# Altium PCB node24.PcbDoc (part 3 of 10)
Units mm, origin at the board's own origin, x right, y up, seen from the top; angles counter-clockwise.
Board outline 177.92 x 177.92 mm, 6 copper layers (L1 - Signal 1 (Top), L2 - Signal 2, L3 - Ground, L4 - Power, L5 - Signal 3, L6 - Signal 4 (Bot)), stack 1.511 mm thick; 721 components, 595 nets, 2782 pads, 2075 vias.
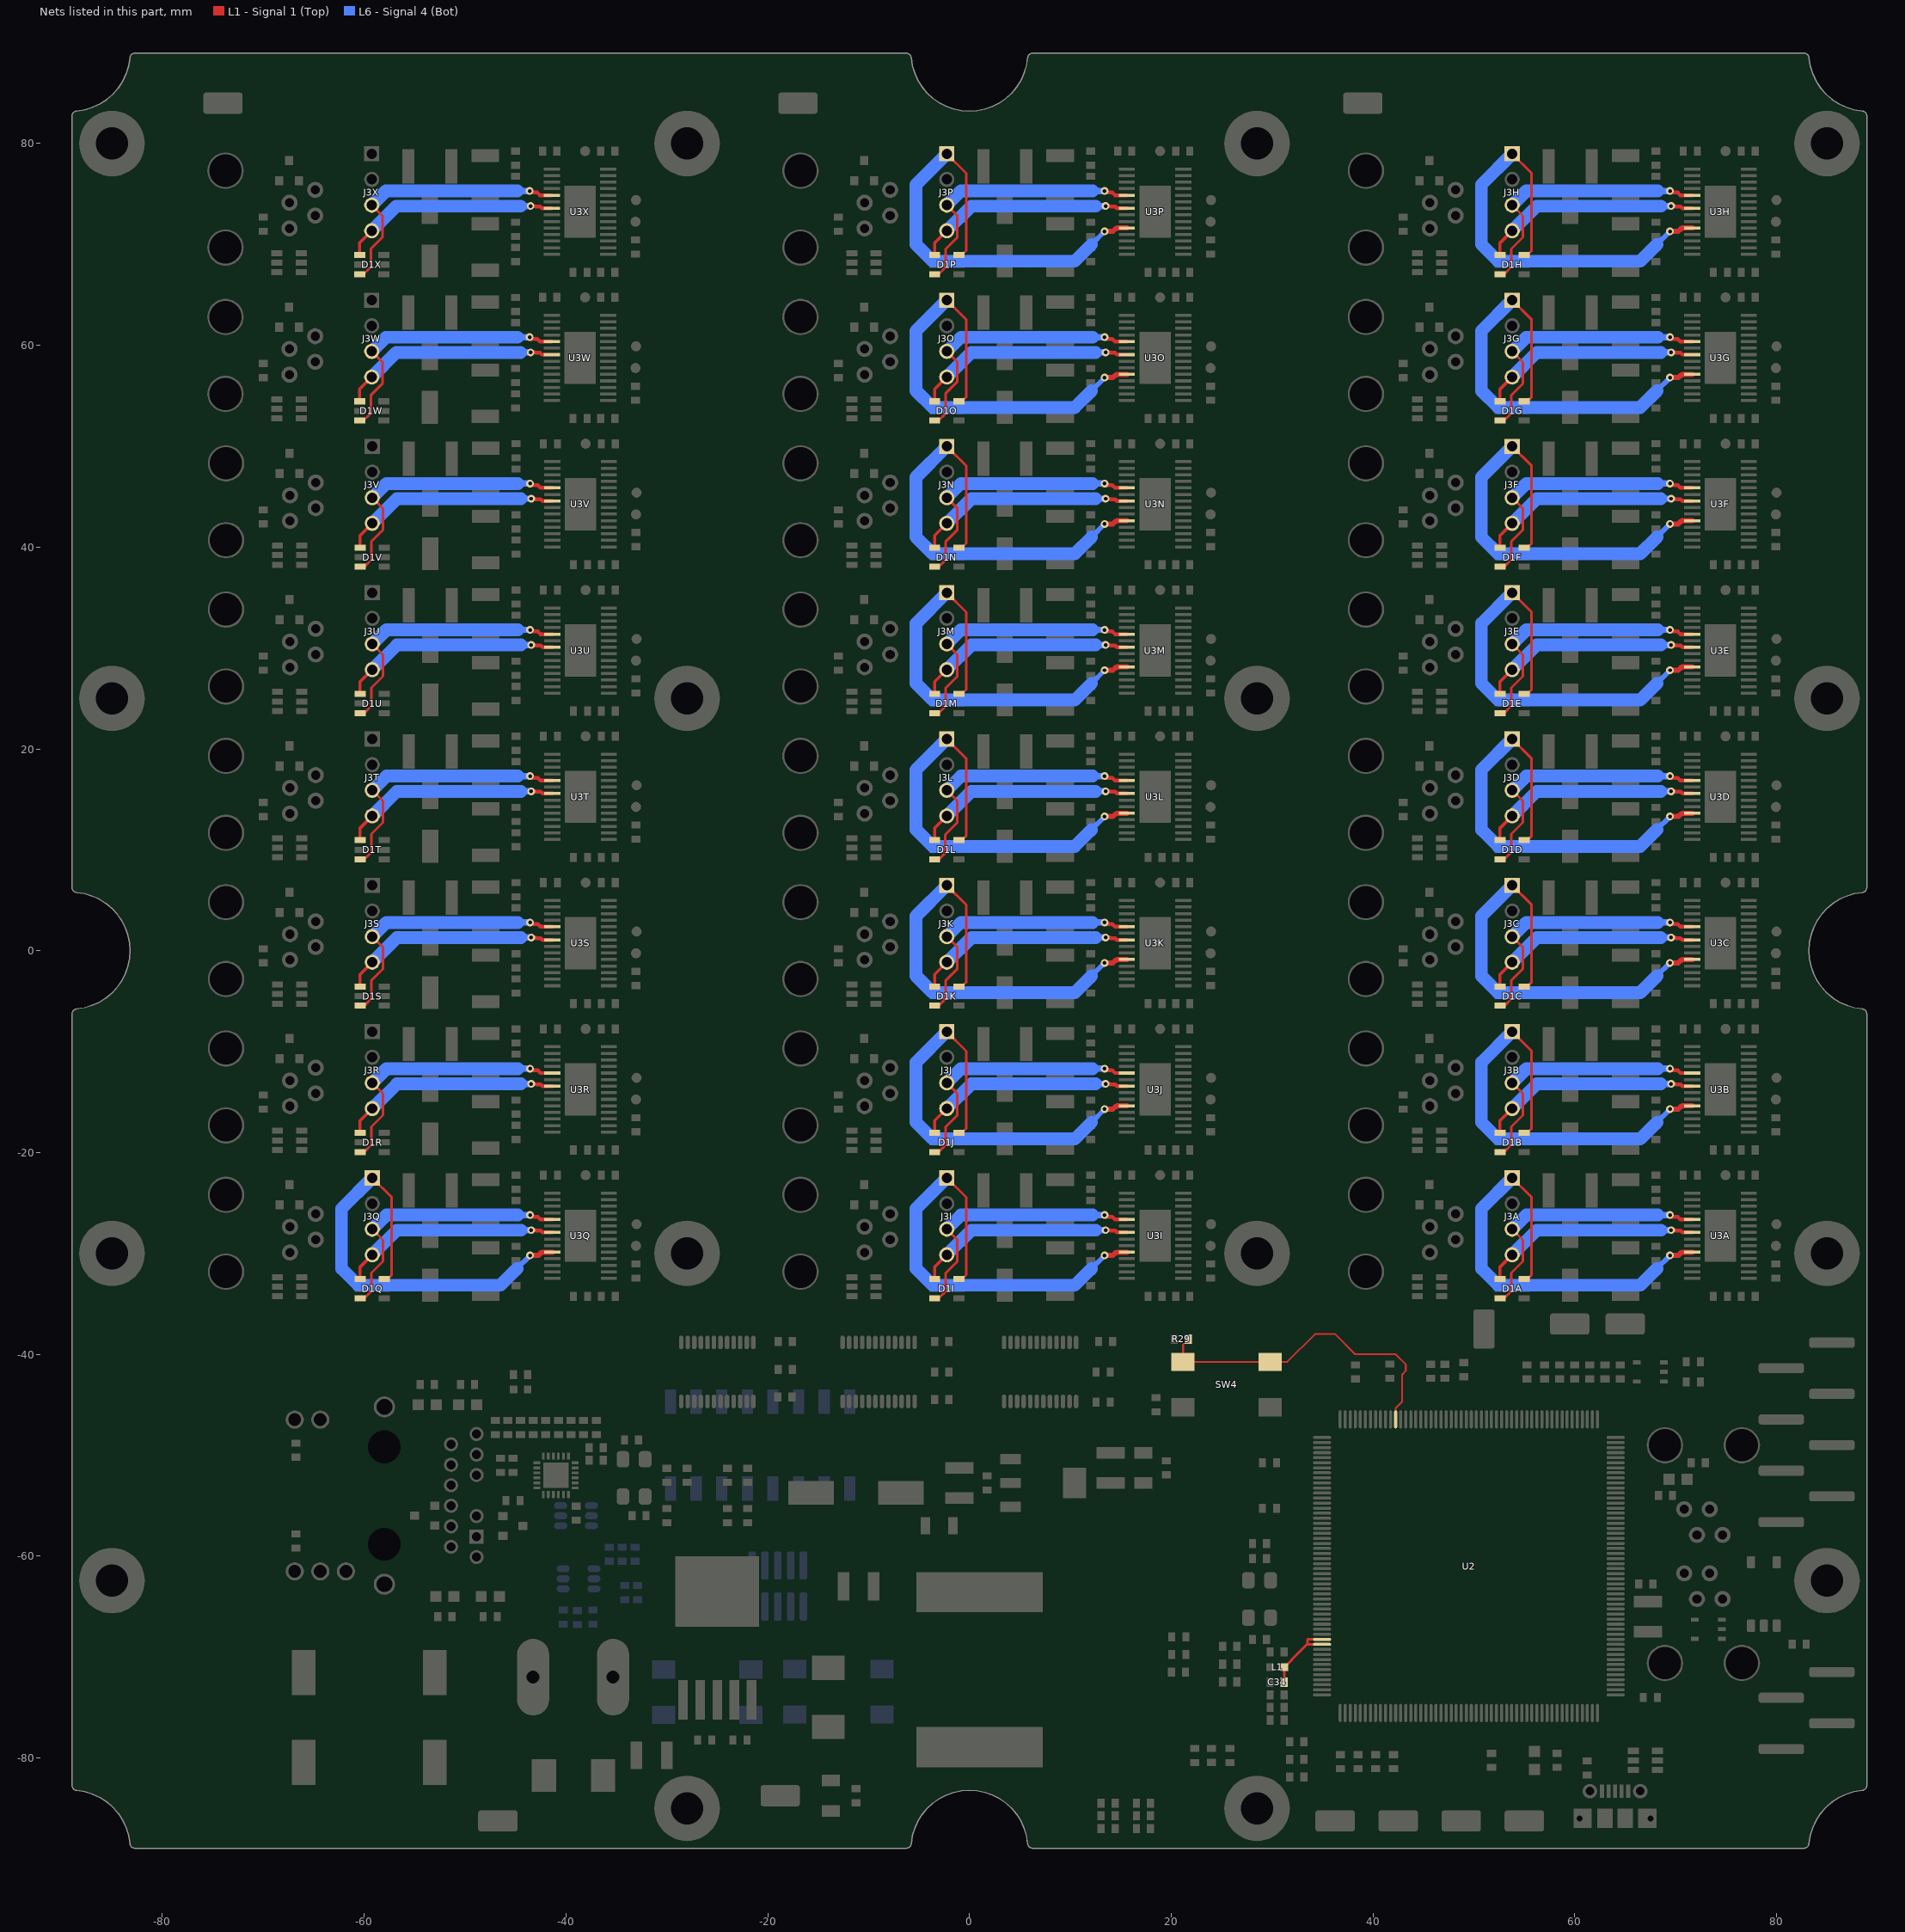
[diagram p7: the nets of this part, all layers, seen from the top]

## Part data (continued)
C38A C38B C38C C38D C38E C38F C38G C38H C38I C38J C38K C38L C38M C38N C38O C38P C38Q C38R C38S C38T C38U C38V C38W C38X C64: library part CMP-1035-02734-1, "CAP 1uF 10V ±20% 0603 (1608 Metric) Thickness 1mm SMD", Case-EIA=0603, Case-Metric=1608, Rated Voltage="10 V", Tolerance=±20%, Max Thickness="1 mm", Technology=SMT
C39A C39B C39C C39D C39E C39F C39G C39H C39I C39J C39K C39L C39M C39N C39O C39P C39Q C39R C39S C39T C39U C39V C39W C39X: library part CMP-1035-02322-1, "CAP 10nF 50V ±20% 0603 (1608 Metric) Thickness 1mm SMD", Case-EIA=0603, Case-Metric=1608, Rated Voltage="50 V", Tolerance=±20%, Max Thickness="1 mm", Technology=SMT
C47 C55 C56 C81: "Cap Ceramic 10uF 10V X7R 10% SMD 1210 125C Embossed T/R", Capacitance=10uF, Case/Package=1210, Case Code (Metric)=3225, Dielectric=X7R, Manufacturer=Samsung, Manufacturer Part Number=CL32B106KPINNNE, Max Operating Temperature=125°C, Min Operating Temperature=-55°C, Package Quantity=2000, Supplier Part Number 1=1276-3326-6-ND, Tolerance=10%, Voltage Rating=10V, Case Code (Imperial)=1210, Componentlink1description=https://datasheet.ciiva.com/25792/cl32b106kpinnne-25792065.pdf, Componentlink1url=https://datasheet.ciiva.com/25792/cl32b106kpinnne-25792065.pdf, Componentlink2description=https://datasheet.ciiva.com/16437/cl05b104kq5nnnc-16437173.pdf, Componentlink2url=https://datasheet.ciiva.com/16437/cl05b104kq5nnnc-16437173.pdf, Depth=2.5mm, Height=2mm, Lead Free="Lead Free", Length=3.2mm, Mount="Surface Mount", Packaging="Tape and Reel", Pricing 1="1=0.36, 10=0.252, 100=0.1509, 500=0.1132, 1000=0.09559 (USD)", Radiation Hardening=No, Stock 1=13080, Supplier 1=Digi-Key, Thickness=0.087inch, Voltage Rating (DC)=10V, Width=0.098inch
C61: library part CMP-1035-02787-1, "CAP 4.7uF 10V ±20% 0603 (1608 Metric) Thickness 1mm SMD", Case-EIA=0603, Case-Metric=1608, Rated Voltage="10 V", Tolerance=±20%, Max Thickness="1 mm", Technology=SMT
C63: library part CMP-1035-01677-1, "CAP 470pF 50V ±20% 0603 (1608 Metric) Thickness 1mm SMD", Case-EIA=0603, Case-Metric=1608, Rated Voltage="50 V", Tolerance=±20%, Max Thickness="1 mm", Technology=SMT
C82: "CAP ALUM 1000UF 20% 10V SMD", Capacitance=1000uF, Case/Package=Radial, Dielectric Material=Aluminium, Leakage Current=100uA, Manufacturer=Nichicon, Manufacturer Part Number=UWT1A102MNL1GS, Max Operating Temperature=105°C, Min Operating Temperature=-55°C, Package Quantity=500, Ripple Current=310mA, Supplier Part Number 1=493-2171-6-ND, Tolerance=20%, Voltage=10V, Componentlink1description=https://datasheet.ciiva.com/97/e-wt-97505.pdf, Componentlink1url=https://datasheet.ciiva.com/97/e-wt-97505.pdf, Componentlink2description=https://datasheet.ciiva.com/30522/getdatasheetpartid-388152-30522193.pdf, Componentlink2url=https://datasheet.ciiva.com/30522/getdatasheetpartid-388152-30522193.pdf, ComponentLink3Description=https://datasheet.ciiva.com/97/e-wt-97506.pdf, ComponentLink3URL=https://datasheet.ciiva.com/97/e-wt-97506.pdf, ComponentLink4Description=https://datasheet.ciiva.com/97/e-wt-97507.pdf, ComponentLink4URL=https://datasheet.ciiva.com/97/e-wt-97507.pdf, ComponentLink5Description=https://datasheet.ciiva.com/11776/0900766b80fa3a91-11776933.pdf, ComponentLink5URL=https://datasheet.ciiva.com/11776/0900766b80fa3a91-11776933.pdf, ComponentLink6Description=https://datasheet.ciiva.com/7793/e-wt-7793502.pdf, ComponentLink6URL=https://datasheet.ciiva.com/7793/e-wt-7793502.pdf, ComponentLink7Description=https://datasheet.ciiva.com/46384/1910938-46384607.pdf, ComponentLink7URL=https://datasheet.ciiva.com/46384/1910938-46384607.pdf, Contact Plating=Tin, Diameter=10mm, Height=10mm, Height - Seated (Max)=0.394inch, Lead Diameter=1.1mm, Lead Free="Lead Free", Lead Pitch=4.5mm, Length=10mm, Life (Hours)=1000Hour, Mount="Surface Mount,PCB", Number of Pins=2, Packaging="Tape and Reel", Pricing 1="1=0.66, 10=0.469, 100=0.3091 (USD)", Radiation Hardening=No, REACH SVHC="No SVHC", Ripple Current (AC)=310mA, Stock 1=21953, Supplier 1=Digi-Key, Termination=SMD/SMT, Voltage Rating=10V, Voltage Rating (DC)=10V
D1A D1B D1C D1D D1E D1F D1G D1H D1I D1J D1K D1L D1M D1N D1O D1P D1Q D1R D1S D1T D1U D1V D1W D1X D2A D2B D2C D2D D2E D2F D2G D2H D2I D2J D2K D2L D2M D2N D2O D2P D2Q D2R D2S D2T D2U D2V D2W D2X: "TVS DIODE 24VWM 30VC SOT23", Breakdown Voltage=25V, Capacitance=60pF, Case/Package=SOT-23-6, Clamping Voltage=30V, Leakage Current=1uA, Manufacturer=STMicroelectronics, Manufacturer Part Number=ESDA25SC6Y, Max Operating Temperature=150°C, Max Surge Current=7A, Min Operating Temperature=-40°C, Operating Supply Voltage=24V, Package Quantity=1, Peak Pulse Current=10A, Peak Pulse Power=300W, Power Line Protection=No, Supplier Part Number 1=497-13421-6-ND, Componentlink1description=https://datasheet.ciiva.com/12326/dm00035423-211710-12326640.pdf, Componentlink1url=https://datasheet.ciiva.com/12326/dm00035423-211710-12326640.pdf, Componentlink2description=https://datasheet.ciiva.com/6577/dm00035423-6577883.pdf, Componentlink2url=https://datasheet.ciiva.com/6577/dm00035423-6577883.pdf, ComponentLink3Description=https://datasheet.ciiva.com/6577/dm00035423-6577884.pdf, ComponentLink3URL=https://datasheet.ciiva.com/6577/dm00035423-6577884.pdf, ComponentLink4Description=https://datasheet.ciiva.com/6577/dm00035423-6577885.pdf, ComponentLink4URL=https://datasheet.ciiva.com/6577/dm00035423-6577885.pdf, ComponentLink5Description=https://datasheet.ciiva.com/25958/dm00035423-25958158.pdf, ComponentLink5URL=https://datasheet.ciiva.com/25958/dm00035423-25958158.pdf, ComponentLink6Description=https://datasheet.ciiva.com/41443/001184002-da-01-en-tvs-diode-24v-300w-esda25sc6y-sot-23-stm-41443447.pdf, ComponentLink6URL=https://datasheet.ciiva.com/41443/001184002-da-01-en-tvs-diode-24v-300w-esda25sc6y-sot-23-stm-41443447.pdf, Depth=1.75mm, Direction=Unidirectional, Height=3mm, Lead Free="Lead Free", Length=3mm, Min Breakdown Voltage=25V, Mount="Surface Mount", Number of Pins=6, Number of Unidirectional Channels=4, Packaging="Tape and Reel", Polarity=Unidirectional, Pricing 1="1=0.52, 10=0.419, 100=0.2855, 500=0.21414, 1000=0.16061 (USD)", Radiation Hardening=No, Reverse Standoff Voltage=24V, Stock 1=18642, Supplier 1=Digi-Key, Termination=SMD/SMT, Working Voltage=24V
D3 D4 D6A D6B D6C D6D D6E D6F D6G D6H D6I D6J D6K D6L D6M D6N D6O D6P D6Q D6R D6S D6T D6U D6V D6W D6X: "TVS DIODE 5VWM 20.6VC SOT23", Breakdown Voltage=7.3V, Capacitance=230pF, Case/Package=SOT-23, Clamping Voltage=20.6V, Leakage Current=10uA, Manufacturer=Diodes, Manufacturer Part Number=SM05-7, Max Operating Temperature=150°C, Max Power Dissipation=300W, Min Breakdown Voltage=6.2V, Min Operating Temperature=-55°C, Package Quantity=3000, Peak Pulse Current=17A, Power Line Protection=No, Reverse Standoff Voltage=5V, Supplier Part Number 1=SM05-7DIDKR-ND, Test Current=1mA, Componentlink1description=https://datasheet.ciiva.com/333/ds31828-333314.pdf, Componentlink1url=https://datasheet.ciiva.com/333/ds31828-333314.pdf, Componentlink2description=https://datasheet.ciiva.com/15186/getdatasheetpartid-375729-15186470.pdf, Componentlink2url=https://datasheet.ciiva.com/15186/getdatasheetpartid-375729-15186470.pdf, ComponentLink3Description=https://datasheet.ciiva.com/25956/ds31828-25956699.pdf, ComponentLink3URL=https://datasheet.ciiva.com/25956/ds31828-25956699.pdf, ComponentLink4Description=https://datasheet.ciiva.com/13083/ds31828-89171-13083151.pdf, ComponentLink4URL=https://datasheet.ciiva.com/13083/ds31828-89171-13083151.pdf, Contact Plating=Tin,Matte, Depth=1.3mm, Direction=Unidirectional,Bidirectional, Element Configuration="Common Anode", ESD Protection=Yes, Height=1mm, Lead Free="Lead Free", Length=2.9mm, Max Reverse Leakage Current=10uA, Mount="Surface Mount", Number of Pins=3, Number of Unidirectional Channels=2, Packaging="Tape and Reel", Peak Pulse Power=300W, Polarity=Unidirectional, Pricing 1="1=0.46, 10=0.341, 100=0.1932, 500=0.12792, 1000=0.09808 (USD)", Radiation Hardening=No, Stock 1=20844, Supplier 1=Digi-Key, Termination=SMD/SMT, Width=1.3mm, Working Voltage=5V
D5: "TVS DIODE 36VWM 58.1VC SMC", Breakdown Voltage=V_bkd=40V, Case/Package=SMC, Clamping Voltage=58.1V, Leakage Current=1uA, Manufacturer=Littelfuse, Manufacturer Part Number=SMCJ36A, Max Breakdown Voltage=44.2V, Max Operating Temperature=150°C, Max Power Dissipation=6.5W, Max Surge Current=25.9A, Min Breakdown Voltage=40V, Min Operating Temperature=-65°C, Operating Supply Voltage=36V, Package Quantity=3000, Peak Pulse Power=1.5kW, Power Line Protection=No, Supplier Part Number 1=SMCJ36ALFCT-ND, Test Current=1mA, Componentlink1description=https://datasheet.ciiva.com/14162/smcj-eng-ds-14162005.pdf, Componentlink1url=https://datasheet.ciiva.com/14162/smcj-eng-ds-14162005.pdf, Componentlink2description=https://datasheet.ciiva.com/26943/getdatasheetpartid-214039-26943381.pdf, Componentlink2url=https://datasheet.ciiva.com/26943/getdatasheetpartid-214039-26943381.pdf, ComponentLink3Description=https://datasheet.ciiva.com/4510/littelfuse-tvs-diode-smcj-62645-4510614.pdf, ComponentLink3URL=https://datasheet.ciiva.com/4510/littelfuse-tvs-diode-smcj-62645-4510614.pdf, ComponentLink4Description=https://datasheet.ciiva.com/16487/littelfuse-tvs-diode-smcj-16487798.pdf, ComponentLink4URL=https://datasheet.ciiva.com/16487/littelfuse-tvs-diode-smcj-16487798.pdf, ComponentLink5Description=https://datasheet.ciiva.com/8062/littelfuse-tvs-diode-smcj-8062391.pdf, ComponentLink5URL=https://datasheet.ciiva.com/8062/littelfuse-tvs-diode-smcj-8062391.pdf, ComponentLink6Description=https://datasheet.ciiva.com/332/littelfuse-tvs-diode-smcj-datasheet-pdf-332153.pdf, ComponentLink6URL=https://datasheet.ciiva.com/332/littelfuse-tvs-diode-smcj-datasheet-pdf-332153.pdf, ComponentLink7Description=https://datasheet.ciiva.com/332/littelfuse-tvs-diode-smcj-datasheet-pdf-332154.pdf, ComponentLink7URL=https://datasheet.ciiva.com/332/littelfuse-tvs-diode-smcj-datasheet-pdf-332154.pdf, ComponentLink8Description=https://datasheet.ciiva.com/332/littelfuse-tvs-diode-smcj-datasheet-pdf-332155.pdf, ComponentLink8URL=https://datasheet.ciiva.com/332/littelfuse-tvs-diode-smcj-datasheet-pdf-332155.pdf, ComponentLink9Description=https://datasheet.ciiva.com/46385/607636-46385086.pdf, ComponentLink9URL=https://datasheet.ciiva.com/46385/607636-46385086.pdf, Direction=Unidirectional, Element Configuration=Single, Height=2.417mm, Lead Free="Lead Free", Length=7.11mm, Max Reverse Leakage Current=1uA, Mount="Surface Mount", Number of Channels=1, Number of Elements=1, Number of Pins=2, Number of Unidirectional Channels=1, Packaging="Tape and Reel", Peak Pulse Current=25.9A, Polarity=Unidirectional, Power Dissipation=1.5kW, Pricing 1="1=0.61, 10=0.513, 25=0.4488, 100=0.3846, 250=0.33332, 500=0.28206, 1000=0.21795 (USD)", Radiation Hardening=No, REACH SVHC="No SVHC", Reverse Breakdown Voltage=40V, Reverse Standoff Voltage=36V, Stock 1=19790, Supplier 1=Digi-Key, Termination=SMD/SMT, Voltage Rating (DC)=36V, Width=6.22mm
D8: library part TVS_5.25_USB_ST_USBLC6-2SC6, "TVS DIODE 5.25VWM 17VC SOT23-6", Breakdown Voltage=6V, Capacitance=3.5pF, Case/Package=SOT-23, Clamping Voltage=17V, Leakage Current=150nA, Manufacturer=STMicroelectronics, Manufacturer Part Number=USBLC6-2SC6, Max Operating Temperature=125°C, Min Operating Temperature=-40°C, Operating Supply Voltage=1.1V, Package Quantity=3000, Peak Pulse Current=5A, Power Line Protection=Yes, Reverse Breakdown Voltage="V_bkd = 6V", Reverse Standoff Voltage=5.25V, Supplier Part Number 1=497-5235-6-ND, Test Current=1mA, Working Voltage=5V, Componentlink1description=https://datasheet.ciiva.com/1268/1690354-1268384.pdf, Componentlink1url=https://datasheet.ciiva.com/1268/1690354-1268384.pdf, Componentlink2description=https://datasheet.ciiva.com/4508/cd00050750-113117-4508433.pdf, Componentlink2url=https://datasheet.ciiva.com/4508/cd00050750-113117-4508433.pdf, ComponentLink3Description=https://datasheet.ciiva.com/16200/cd00050750-16200026.pdf, ComponentLink3URL=https://datasheet.ciiva.com/16200/cd00050750-16200026.pdf, ComponentLink4Description=https://datasheet.ciiva.com/15143/getdatasheetpartid-148465-15143789.pdf, ComponentLink4URL=https://datasheet.ciiva.com/15143/getdatasheetpartid-148465-15143789.pdf, ComponentLink5Description=https://datasheet.ciiva.com/26787/usblc6-2sc6-26787908.pdf, ComponentLink5URL=https://datasheet.ciiva.com/26787/usblc6-2sc6-26787908.pdf, ComponentLink6Description=https://datasheet.ciiva.com/41444/001184109-da-01-en-ic-esd-protecti-usblc6-2sc6-sot-23-6-stm-41444156.pdf, ComponentLink6URL=https://datasheet.ciiva.com/41444/001184109-da-01-en-ic-esd-protecti-usblc6-2sc6-sot-23-6-stm-41444156.pdf, Contact Plating=Tin,Matte, Data Rate=480Mbps, Depth=1.75mm, Direction=Unidirectional,Bidirectional, Element Configuration=Dual, ESD Protection=Yes, Height=1.3mm, Lead Free="Lead Free", Length=3.05mm, Max Breakdown Voltage=6V, Max Reverse Leakage Current=150nA, Min Breakdown Voltage=6V, Mount="Surface Mount", Number of Bidirectional Channels=2, Number of Channels=2, Number of Elements=1, Number of Pins=6, Packaging="Tape and Reel", Polarity=Unidirectional,Bidirectional, Pricing 1="1=0.49, 10=0.419, 100=0.3131, 500=0.24602, 1000=0.1901 (USD)", Radiation Hardening=No, REACH SVHC="No SVHC", Stock 1=63718, Supplier 1=Digi-Key, Termination=SMD/SMT, Width=1.75mm
D10: "DIODE SCHOTTKY 40V 3A SMC", Average Rectified Current=3A, Capacitance=250pF, Case/Package=SMC, Forward Voltage=500mV, Manufacturer=Diodes, Manufacturer Part Number=B340-13-F, Max Forward Surge Current (Ifsm)=100A, Max Operating Temperature=125°C, Max Repetitive Reverse Voltage (Vrrm)=40V, Min Operating Temperature=-55°C, Package Quantity=3000, Peak Reverse Current=500uA, Supplier Part Number 1=B340-FDIDKR-ND, Componentlink1description=https://datasheet.ciiva.com/914/ds30923-914112.pdf, Componentlink1url=https://datasheet.ciiva.com/914/ds30923-914112.pdf, Componentlink2description=https://datasheet.ciiva.com/16291/ds13005-16291142.pdf, Componentlink2url=https://datasheet.ciiva.com/16291/ds13005-16291142.pdf, ComponentLink3Description=https://datasheet.ciiva.com/26949/getdatasheetpartid-116064-26949351.pdf, ComponentLink3URL=https://datasheet.ciiva.com/26949/getdatasheetpartid-116064-26949351.pdf, Current=3A, Current Rating=3A, Element Configuration=Single, Forward Current=3A, Height=2.5mm, Lead Free="Lead Free", Length=7.11mm, Max Reverse Voltage (DC)=40V, Mount="Surface Mount", Number of Pins=2, Output Current=3A, Packaging="Tape and Reel", Peak Non-Repetitive Surge Current=100A, Polarity=Standard, Pricing 1="1=0.39, 10=0.32, 100=0.2175, 500=0.16316, 1000=0.12236 (USD)", Radiation Hardening=No, REACH SVHC="No SVHC", Stock 1=14507, Supplier 1=Digi-Key, Termination=SMD/SMT, Voltage=40V, Voltage Rating (DC)=40V, Weight=0.007408oz, Width=6.22mm
D11 D12: "LED GREEN CLEAR 1206 SMD", Case/Package=1206, Case Code (Metric)=3216, Colour=Green, Forward Current=30mA, Forward Voltage=2.1V, Lens Colour=Clear,Colorless, Manufacturer="Vishay Lite-On", Manufacturer Part Number=LTST-C150GKT, Max Operating Temperature=85°C, Max Power Dissipation=100mW, Min Operating Temperature=-55°C, Package Quantity=1, Reverse Voltage=5V, Supplier Part Number 1=160-1169-6-ND, Test Current=10mA, Case Code (Imperial)=1206, Componentlink1description=https://datasheet.ciiva.com/2110/ltst-c150gkt-2110032.pdf, Componentlink1url=https://datasheet.ciiva.com/2110/ltst-c150gkt-2110032.pdf, Componentlink2description=https://datasheet.ciiva.com/12400/lite-on-ltst-c150gkt-187412-12400912.pdf, Componentlink2url=https://datasheet.ciiva.com/12400/lite-on-ltst-c150gkt-187412-12400912.pdf, ComponentLink3Description=https://datasheet.ciiva.com/11775/0900766b80dc0263-11775637.pdf, ComponentLink3URL=https://datasheet.ciiva.com/11775/0900766b80dc0263-11775637.pdf, ComponentLink4Description=https://datasheet.ciiva.com/4266/s-110-ltst-c150gkt-4266310.pdf, ComponentLink4URL=https://datasheet.ciiva.com/4266/s-110-ltst-c150gkt-4266310.pdf, ComponentLink5Description=https://datasheet.ciiva.com/16375/ltst-c150gkt-16375926.pdf, ComponentLink5URL=https://datasheet.ciiva.com/16375/ltst-c150gkt-16375926.pdf, ComponentLink6Description=https://datasheet.ciiva.com/15117/getdatasheetpartid-142080-15117739.pdf, ComponentLink6URL=https://datasheet.ciiva.com/15117/getdatasheetpartid-142080-15117739.pdf, Depth=1.6mm, Dominant Wavelength=569nm, Height=1.1mm, Illumination Colour=Green, Lead Free="Lead Free", Length=3.2mm, Lens Style=Clear,Diffused,Colorless,Rectangular, Lens Transparency=Clear, Luminous Intensity=6mcd, Mount="Surface Mount", Number of Elements=1, Number of LEDs=1, Number of Pins=2, Packaging="Tape and Reel", Power Dissipation=100mW, Power Rating=100mW, Radiation Hardening=No, Stock 1=0, Supplier 1=Digi-Key, Viewing Angle=130°, Wavelength=565nm, Width=1.6mm
F1A F1B F1C F1D F1E F1F F1G F1H F1I F1J F1K F1L F1M F1N F1O F1P F1Q F1R F1S F1T F1U F1V F1W F1X: "PTC RESETTABLE 30V 500MA 1812", Case/Package=1812, Case Code (Metric)=4532, Hold Current=500mA, Manufacturer=Bel, Manufacturer Part Number=0ZCG0050AF2C, Max Current Rating=100A, Max Operating Temperature=85°C, Min Operating Temperature=-40°C, Package Quantity=1, Supplier Part Number 1=507-1762-6-ND, Trip Current=1A, Case Code (Imperial)=1812, Componentlink1description=https://datasheet.ciiva.com/18550/0zcg-18550748.pdf, Componentlink1url=https://datasheet.ciiva.com/18550/0zcg-18550748.pdf, Componentlink2description=https://datasheet.ciiva.com/18550/0zcg-18550749.pdf, Componentlink2url=https://datasheet.ciiva.com/18550/0zcg-18550749.pdf, ComponentLink3Description=https://datasheet.ciiva.com/18550/0zcg-18550750.pdf, ComponentLink3URL=https://datasheet.ciiva.com/18550/0zcg-18550750.pdf, Contact Plating=Tin,Matte, Lead Free="Lead Free", Mount="Surface Mount", Packaging="Tape and Reel", Pricing 1="1=0.14, 5=0.134, 10=0.129, 50=0.1148, 100=0.1069, 250=0.09504, 500=0.0792, 1000=0.07524 (USD)", Stock 1=278574, Supplier 1=Digi-Key, Time to Trip=0.15s
J1A J1B J1C J1D J1E J1F J1G J1H J1I J1J J1K J1L J1M J1N J1O J1P J1Q J1R J1S J1T J1U J1V J1W J1X J9 J10: "CONN MOD JACK 4P4C VERT", Contact Resistance=20mR, Housing Colour=Black, Manufacturer=Assmann, Manufacturer Part Number=A-2014-3-4-N-T-R, Max Current Rating=1.5A, Max Operating Temperature=85°C, Max Voltage Rating (AC)=120V, Min Operating Temperature=-40°C, Package Quantity=130, Supplier Part Number 1=AE10393-ND, Componentlink1description=http://components.arrow.com/part/dataview/0323_07027207, Componentlink1url=http://components.arrow.com/part/dataview/0323_07027207, Componentlink2description=http://www.assmann-wsw.com/fileadmin/datasheets/ASS_7331_CO.PDF, Componentlink2url=http://www.assmann-wsw.com/fileadmin/datasheets/ASS_7331_CO.PDF, ComponentLink3Description=http://www.assmann.us/specs/A-2014-3-4-N-T-R.pdf, ComponentLink3URL=http://www.assmann.us/specs/A-2014-3-4-N-T-R.pdf, Connector Type=Jack, Contact Material=Bronze, Contact Plating=Nickel,Gold, Depth=16.5mm, Direction="User Selectable", Housing Material=Glass, Lead Free="Lead Free", Length=11.43mm, Mount="Through Hole", Number of Ports=1, Number of Positions Loaded=4, Number of Rows=1, Orientation=Vertical, Packaging=Tray, Pitch=2.54mm, Pricing 1="1=0.55, 10=0.516, 25=0.4644, 50=0.4128, 100=0.3956, 250=0.3612, 500=0.344, 1000=0.2838, 2500=0.258 (USD)", Shielding=Unshielded, Stock 1=29088, Supplier 1=Digi-Key, Termination=Solder
J2: "Conn Shrouded Header HDR 10 POS 1.27mm Solder ST SMD T/R", Housing Colour=Black, Manufacturer=Samtec, Manufacturer Part Number=SHF-105-01-L-D-SM-K-TR, Max Operating Temperature=125°C, Min Operating Temperature=-55°C, Supplier Part Number 1=SAM13249CT-ND, Componentlink1description=https://datasheet.ciiva.com/16710/eshf-16710342.pdf, Componentlink1url=https://datasheet.ciiva.com/16710/eshf-16710342.pdf, Componentlink2description=https://datasheet.ciiva.com/10244/eshf-10244043.pdf, Componentlink2url=https://datasheet.ciiva.com/10244/eshf-10244043.pdf, ComponentLink3Description=https://datasheet.ciiva.com/25574/1788271-25574734.pdf, ComponentLink3URL=https://datasheet.ciiva.com/25574/1788271-25574734.pdf, Contact Material=Bronze, Contact Plating=Nickel,Gold, Depth=5.59mm, Gender=Male, Housing Material=Polymer, Length=12.7mm, Number of Contacts=10, Number of Rows=2, Orientation=Straight, Packaging="Tape and Reel", Pitch=1.27mm, Pricing 1="1=3.66, 10=3.511, 100=2.926 (USD)", Radiation Hardening=No, REACH SVHC="No SVHC", Stock 1=106, Supplier 1=Digi-Key, Termination=Solder
J3A J3B J3C J3D J3E J3F J3G J3H J3I J3J J3K J3L J3M J3N J3O J3P J3Q J3R J3S J3T J3U J3V J3W J3X: Colour=Black, Current Rating=3A, Manufacturer="Amphenol FCI", Manufacturer Part Number=76384-404LF, Max Operating Temperature=125°C, Max Voltage Rating (AC)=1kV, Min Operating Temperature=-40°C, Package Quantity=500, Supplier Part Number 1=609-1319-ND, Componentlink1description=https://datasheet.ciiva.com/713/76384-713329.pdf, Componentlink1url=https://datasheet.ciiva.com/713/76384-713329.pdf, Componentlink2description=https://datasheet.ciiva.com/16689/76384-16689063.pdf, Componentlink2url=https://datasheet.ciiva.com/16689/76384-16689063.pdf, ComponentLink3Description=https://datasheet.ciiva.com/9473/76384-9473260.pdf, ComponentLink3URL=https://datasheet.ciiva.com/9473/76384-9473260.pdf, Connector Type="Male Pin", Contact Material="Bronze,Copper Alloy", Contact Mating Length=0.197inch, Contact Plating=Nickel,Tin,Gold, Depth=5mm, Fastening Type=Friction, Gender=Male, Housing Colour=Black, Housing Material=Thermoplastic, Lead Free="Lead Free", Length=9.16mm, Mating Post Length=5mm, Mount="Through Hole", Number of Contacts=4, Number of Positions=4, Number of Rows=1, Orientation=Straight, Packaging=Bulk, Pitch=2.54mm, Pricing 1="1=0.65, 10=0.611, 100=0.4687, 500=0.4076, 1000=0.33627, 5000=0.29551, 10000=0.27513 (USD)", Radiation Hardening=No, Stock 1=1255, Supplier 1=Digi-Key, Termination=Solder, Termination Post Length=3.4mm, Voltage Rating=1kV, Width=4.7mm
J4: library part CMP-1715-00001-1, "Gigabit MagJack(R) Ultra Low Profile, 10/100/1000 Base-T, 19-Pin THD, RoHS, Tray", Case/Package=Metal, Package Quantity=60, Componentlink1description="Manufacturer URL", Componentlink1url=http://belfuse.com/ethernet/, Componentlink2description=Datasheet, Componentlink2url=http://belfuse.com/pdfs/L829-1J1T-43.pdf, DatasheetVersion="Rev. G", Height="11.3 mm", Length="17.78 mm", Mount="Through Hole", Mounting Technology="Through Hole", PackageDescription="19-Pin Through Hole Device, Body 23.94 x 17.58 mm, Pitch 2.03 mm", Packaging=Tray, PartNumber=L829-1J1T-43, Pins=8, RoHSCompliant=True, Width="24.13 mm"
J5: "USB - micro B  Receptacle Connector 5 Position Board Cutout, Surface Mount, Right Angle", Current Rating=1.8A, Manufacturer=Molex, Manufacturer Part Number=105017-0001, Max Operating Temperature=85°C, Max Voltage Rating (AC)=30V, Min Operating Temperature=-20°C, Package Quantity=1, Supplier Part Number 1=WM1399DKR-ND, Componentlink1description=https://datasheet.ciiva.com/3094/1050170001-io-connectors-3094416.pdf, Componentlink1url=https://datasheet.ciiva.com/3094/1050170001-io-connectors-3094416.pdf, Componentlink2description=https://datasheet.ciiva.com/16668/1050170001-io-connectors-16668598.pdf, Componentlink2url=https://datasheet.ciiva.com/16668/1050170001-io-connectors-16668598.pdf, ComponentLink3Description=https://datasheet.ciiva.com/4598/1050170001-io-connectors-152207-4598759.pdf, ComponentLink3URL=https://datasheet.ciiva.com/4598/1050170001-io-connectors-152207-4598759.pdf, ComponentLink4Description=https://datasheet.ciiva.com/8015/1631959-8015288.pdf, ComponentLink4URL=https://datasheet.ciiva.com/8015/1631959-8015288.pdf, ComponentLink5Description=https://datasheet.ciiva.com/851/1050170001-sd-851276.pdf, ComponentLink5URL=https://datasheet.ciiva.com/851/1050170001-sd-851276.pdf, ComponentLink6Description=https://datasheet.ciiva.com/5742/1598502-5742508.pdf, ComponentLink6URL=https://datasheet.ciiva.com/5742/1598502-5742508.pdf, ComponentLink7Description=https://datasheet.ciiva.com/22654/1688140-22654924.pdf, ComponentLink7URL=https://datasheet.ciiva.com/22654/1688140-22654924.pdf, ComponentLink8Description=https://datasheet.ciiva.com/851/1050170001-sd-851277.pdf, ComponentLink8URL=https://datasheet.ciiva.com/851/1050170001-sd-851277.pdf, ComponentLink9Description=https://datasheet.ciiva.com/851/1050170001-sd-851278.pdf, ComponentLink9URL=https://datasheet.ciiva.com/851/1050170001-sd-851278.pdf, ComponentLink10Description=https://datasheet.ciiva.com/30165/235271050170001-io-nectors-30165183.pdf, ComponentLink10URL=https://datasheet.ciiva.com/30165/235271050170001-io-nectors-30165183.pdf, Connector Type="USB, Receptacle, Micro-B", Contact Material="Copper,Copper Alloy", Contact Plating=Nickel,Gold, Depth=7.5mm, Gender=Receptacle, Halogen Free="Low Halogen", Housing Material=Polymer, Length=8.2mm, Mount="Surface Mount", Number of Circuits=5, Number of Contacts=5, Number of Ports=1, Number of Positions=5, Number of Terminals=5, Orientation="Right Angle", Packaging="Tape and Reel", Pitch=0.65mm, Pricing 1="1=0.87, 10=0.763, 25=0.718, 50=0.6882, 100=0.6582, 250=0.5984, 500=0.53856, 1000=0.47872 (USD)", Radiation Hardening=No, REACH SVHC=Unknown, Stock 1=42814, Supplier 1=Digi-Key, Termination=Solder, USB Standard="USB 2.0", Voltage Rating=30V, Voltage Rating (AC)=30V